# KiCad board Dashboard.kicad_pcb
note: AISLER Project ID: RVJIBPDP
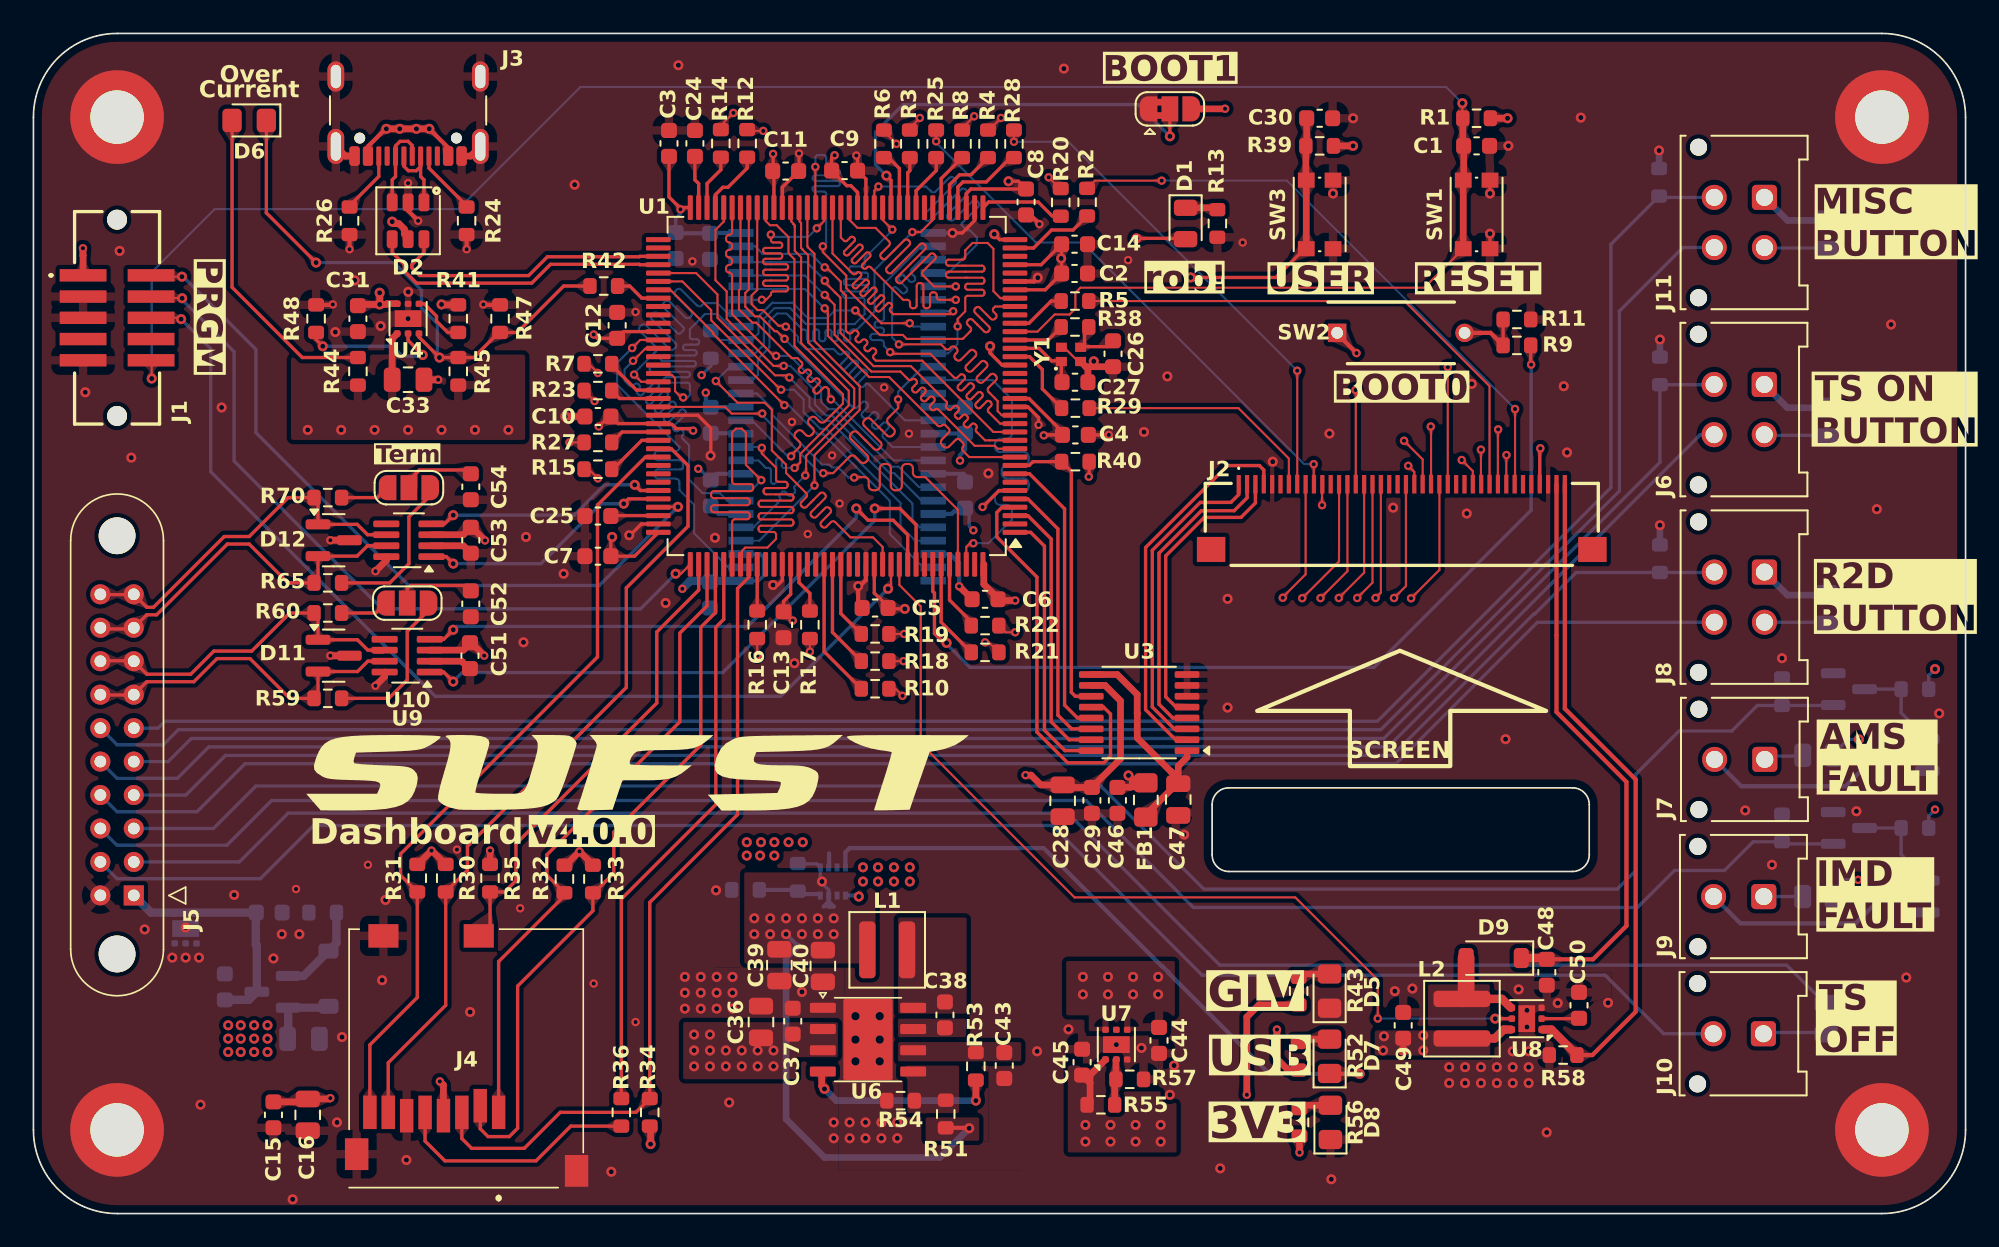
[diagram p0: board, top side]
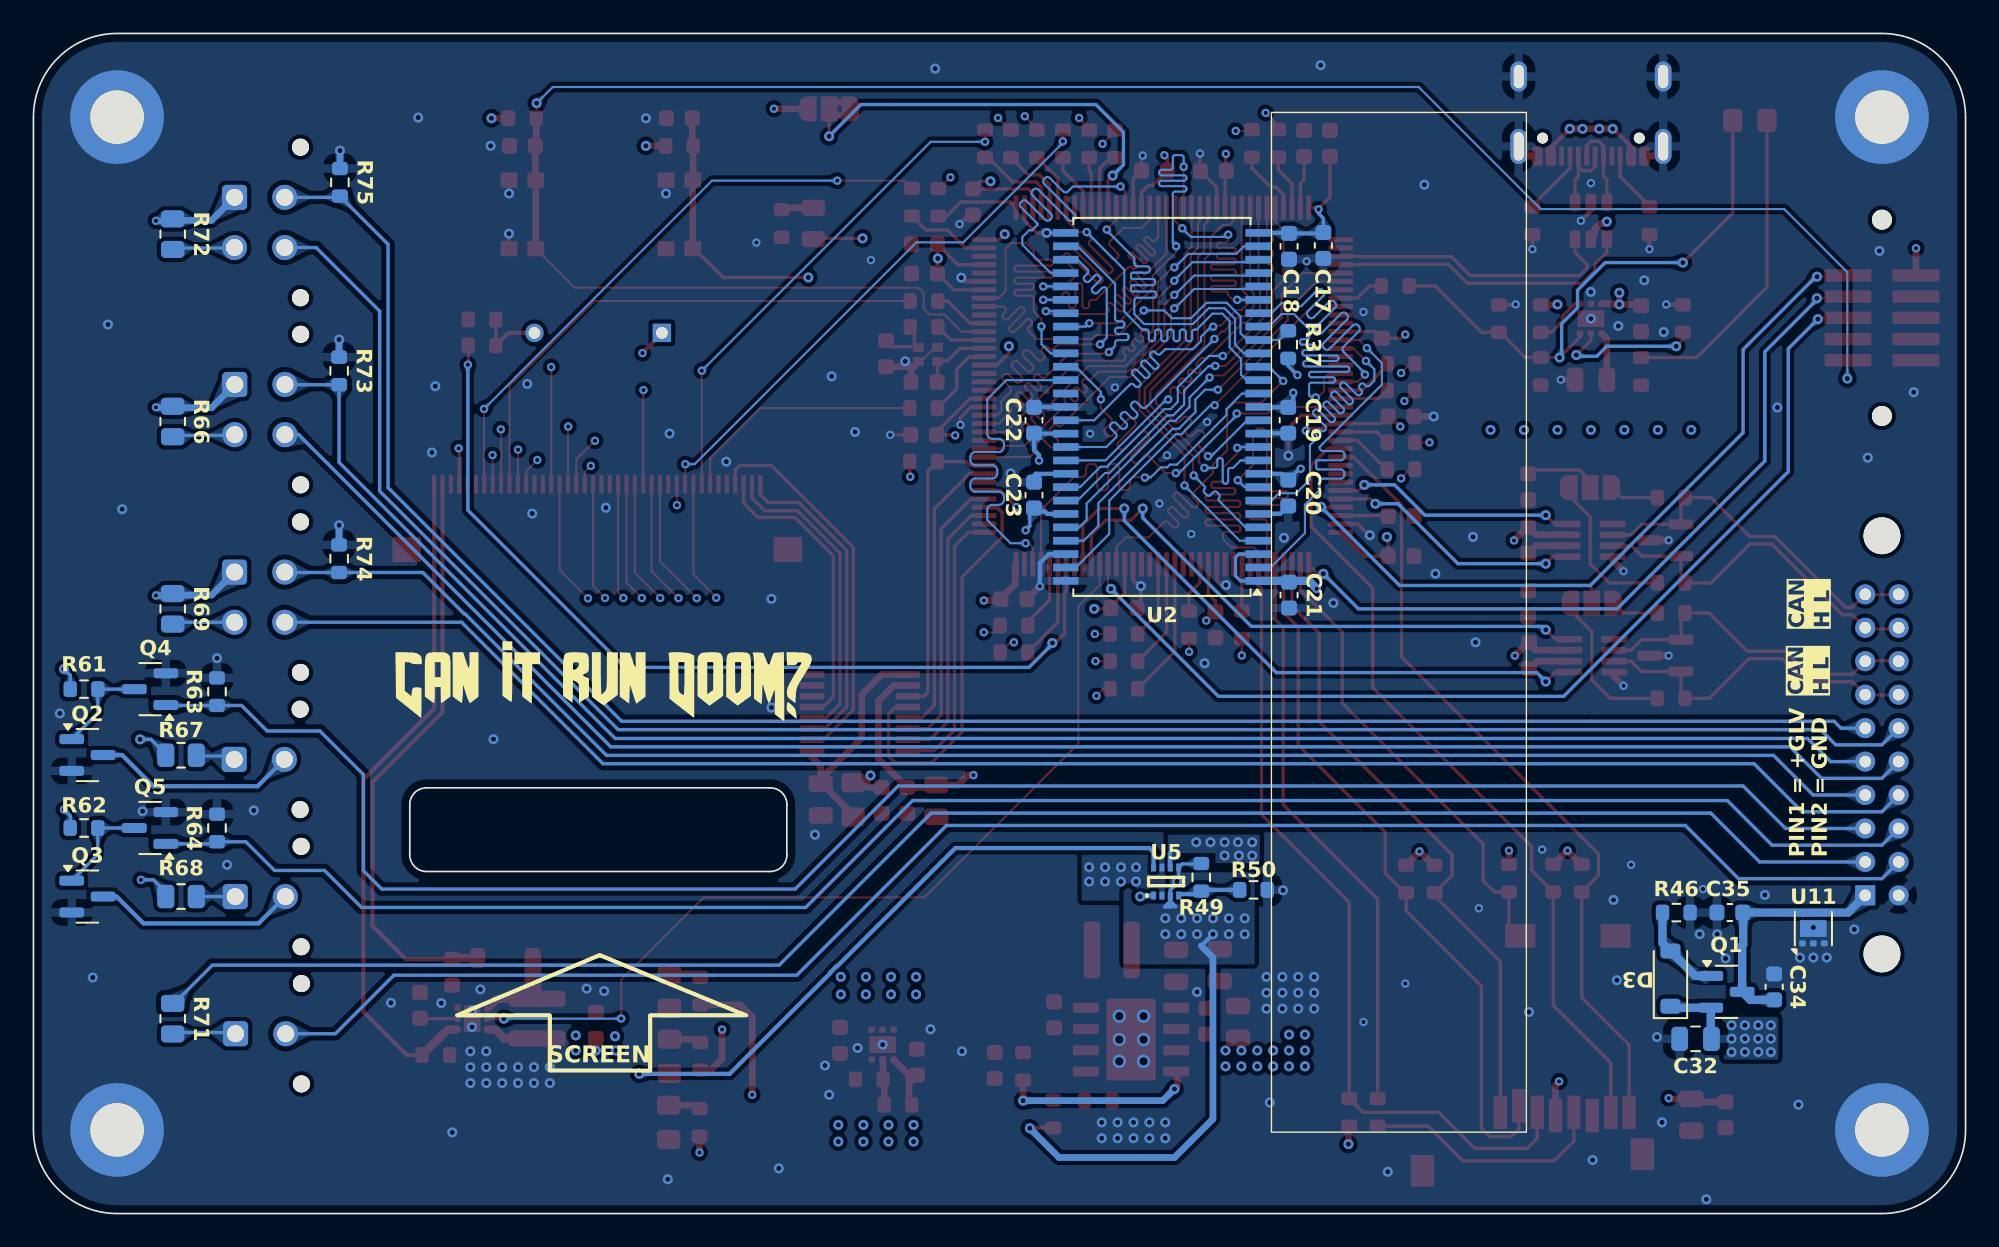
[diagram p1: board, bottom side, seen from below]

Outline 115.53 x 70.55 mm; copper layers: Top, In1.Cu, In2.Cu, In3.Cu, In4.Cu, Bottom. Coordinates in mm from the lower left corner of the outline.
Outline path: 0,65.55 arc(1.46,69.09) 5,70.55 110.53,70.55 arc(114.06,69.09) 115.53,65.55 115.53,5 arc(114.06,1.46) 110.53,0 5,0 arc(1.46,1.46) 0,5 0,65.55 ; 70.47,24.45 arc(70.77,25.16) 71.47,25.45 92.03,25.45 arc(92.73,25.16) 93.03,24.45 93.03,21.45 arc(92.73,20.74) 92.03,20.45 71.47,20.45 arc(70.77,20.74) 70.47,21.45 70.47,24.45
Stack: Top 0.035mm / dielectric 0.1mm FR4 er 4.5 / In1.Cu 0.035mm / dielectric 0.535mm FR4 er 4.5 / In2.Cu 0.035mm / dielectric 0.1mm FR4 er 4.5 / In3.Cu 0.035mm / dielectric 0.535mm FR4 er 4.5 / In4.Cu 0.035mm / dielectric 0.1mm FR4 er 4.5 / Bottom 0.035mm

## Placement (name value [footprint] x y rotation side)
C1  68nF  [C_0603_1608Metric]  86.29 63.83 180 top
C2  4.7uF  [C_0603_1608Metric]  62.25 56.2 0 top
C3  100nF  [C_0603_1608Metric]  38 63.97 90 top
C4  100nF  [C_0603_1608Metric]  62.3 46.55 0 top
C5  100nF  [C_0603_1608Metric]  50.33 36.2 180 top
C6  100nF  [C_0603_1608Metric]  56.9 36.72 180 top
C7  100nF  [C_0603_1608Metric]  33.75 39.3 180 top
C8  100nF  [C_0603_1608Metric]  59.35 60.47 270 top
C9  100nF  [C_0603_1608Metric]  48.5 62.35 0 top
C10  100nF  [C_0603_1608Metric]  33.75 47.65 180 top
C11  100nF  [C_0603_1608Metric]  44.97 62.32 0 top
C12  100nF  [C_0603_1608Metric]  34.9 53.1 90 top
C13  100nF  [C_0603_1608Metric]  44.85 35.2 270 top
C14  100nF  [C_0603_1608Metric]  62.25 57.95 0 top
C15  100n  [C_0603_1608Metric]  14.35 5.9 270 top
C16  10u  [C_0805_2012Metric]  16.4 5.9 270 top
C17  2u2  [C_0603_1608Metric]  38.4 57.87 90 bottom
C18  100nF  [C_0603_1608Metric]  40.45 57.82 270 bottom
C19  100nF  [C_0603_1608Metric]  40.5 47.42 270 bottom
C20  100nF  [C_0603_1608Metric]  40.5 43.07 270 bottom
C21  100nF  [C_0603_1608Metric]  40.45 36.97 270 bottom
C22  100nF  [C_0603_1608Metric]  55.7 47.42 90 bottom
C23  2u2  [C_0603_1608Metric]  55.7 42.95 270 bottom
C24  2.2u  [C_0603_1608Metric]  39.55 63.97 90 top
C25  2.2u  [C_0603_1608Metric]  33.75 41.7 180 top
C26  4.7pF  [C_0603_1608Metric]  64.55 51.4 270 top
C27  4.7pF  [C_0603_1608Metric]  62.28 49.7 0 top
C28  10u  [C_0805_2012Metric]  61.54 24.67 270 top
C29  100n  [C_0603_1608Metric]  63.29 24.7 270 top
C30  100n  [C_0603_1608Metric]  76.91 65.48 180 top
C31  100nF  [C_0603_1608Metric]  19.4 53.5 270 top
C32  10uF  [C_0805_2012Metric]  16.14 10.44 0 bottom
C33  22uF  [C_0805_2012Metric]  22.4 49.85 0 top
C34  100nF  [C_0603_1608Metric]  11.44 13.55 90 bottom
C35  1uF  [C_0603_1608Metric]  14.09 17.99 0 bottom
C36  10uF  [C_0805_2012Metric]  43.5 11.45 90 top
C37  220nF  [C_0603_1608Metric]  45.4 11.5 90 top
C38  0.1uF  [C_0603_1608Metric]  54.5 11.88 90 top
C39  22uF  [C_0805_2012Metric]  44.6 14.85 270 top
C40  22uF  [C_0805_2012Metric]  47.2 14.8 270 top
C43  1uF  [C_0603_1608Metric]  58.05 8.85 270 top
C44  1uF  [C_0603_1608Metric]  67.3 10.35 270 top
C45  1uF  [C_0603_1608Metric]  62.7 9.05 90 top
C46  1uF  [C_0603_1608Metric]  64.81 24.7 270 top
C47  10nF  [C_0805_2012Metric]  68.45 24.75 270 top
C48  2.2uF  [C_0603_1608Metric]  90.49 14.42 270 top
C49  4.7uF  [C_0603_1608Metric]  81.9 11.25 90 top
C50  220nF  [C_0603_1608Metric]  92.41 12.45 90 top
C51  100n  [C_0603_1608Metric]  26.1 33.35 90 top
C52  4.7n  [C_0603_1608Metric]  26.15 36.45 270 top
C53  100n  [C_0603_1608Metric]  26.15 40.25 90 top
C54  4.7n  [C_0603_1608Metric]  26.15 43.45 270 top
D1  LED  [LED_0805_2012Metric]  68.89 59.19 270 top
D2  USBLC6-2SC6  [SOT-23-6]  22.4 59.35 270 top
D3  BZT52B10  [D_SOD-123]  17.64 14.04 90 bottom
D5  LED  [LED_0805_2012Metric_Pad1.15x1.40mm_HandSolder]  77.5 13.3 90 top
D6  LED  [LED_0805_2012Metric_Pad1.15x1.40mm_HandSolder]  12.9 65.35 180 top
D7  LED  [LED_0805_2012Metric_Pad1.15x1.40mm_HandSolder]  77.5 9.4 90 top
D8  LED  [LED_0805_2012Metric_Pad1.15x1.40mm_HandSolder]  77.55 5.45 90 top
D9  D_Schottky  [D_SOD-123]  87.31 15.28 180 top
D11  NUP2105L  [SOT-23]  17.95 33.35 0 top
D12  NUP2105L  [SOT-23]  17.95 40.25 0 top
FB1  FerriteBead  [L_0805_2012Metric_Pad1.15x1.40mm_HandSolder]  66.51 24.72 270 top
G***  -  [LOGO]  36.1 26.35 0 top
G***#2  -  [LOGO]  81.45 31.8 180 bottom
H1  MountingHole_Pad  [MountingHole_3.2mm_M3_DIN965_Pad_TopBottom]  110.53 65.55 0 top
H2  MountingHole_Pad  [MountingHole_3.2mm_M3_DIN965_Pad_TopBottom]  110.53 5 0 top
H3  MountingHole_Pad  [MountingHole_3.2mm_M3_DIN965_Pad_TopBottom]  5 5 0 top
H4  MountingHole_Pad  [MountingHole_3.2mm_M3_DIN965_Pad_TopBottom]  5 65.55 0 top
J1  SHF10501LDTHLC  [SHF10501LDSMLC]  5 53.55 270 top
J2  XF2M-4015-1A  [XF2M40151A]  81.81 41.2 0 top
J3  USB_C_Receptacle_USB2.0_16P  [USB_C_Receptacle_GCT_USB4105-xx-A_16P_TopMnt_Horizontal]  22.4 66.9 180 top
J4  MEM2061-01-188-00-A  [MEM20610118800A]  20.12 6.05 0 top
J5  -  [M80-5102042]  6 19.02 90 top
J6  Conn_02x02_Top_Bottom  [Molex_Micro-Fit_3.0_43045-0412_2x02_P3.00mm_Vertical]  103.49 49.56 270 top
J7  Conn_02x01  [Molex_Micro-Fit_3.0_43045-0212_2x01_P3.00mm_Vertical]  103.52 27.15 270 top
J8  Conn_02x02_Top_Bottom  [Molex_Micro-Fit_3.0_43045-0412_2x02_P3.00mm_Vertical]  103.5 38.35 270 top
J9  Conn_02x01  [Molex_Micro-Fit_3.0_43045-0212_2x01_P3.00mm_Vertical]  103.46 18.95 270 top
J10  Conn_02x01  [Molex_Micro-Fit_3.0_43045-0212_2x01_P3.00mm_Vertical]  103.44 10.75 270 top
J11  Conn_02x02_Top_Bottom  [Molex_Micro-Fit_3.0_43045-0412_2x02_P3.00mm_Vertical]  103.5 60.75 270 top
JP1  SolderJumper_3_Open  [SolderJumper-3_P1.3mm_Open_RoundedPad1.0x1.5mm]  22.35 36.49 0 top
JP2  SolderJumper_3_Open  [SolderJumper-3_P1.3mm_Open_RoundedPad1.0x1.5mm]  22.45 43.39 0 top
JP3  SolderJumper_3_Bridged12  [SolderJumper-3_P1.3mm_Bridged2Bar12_RoundedPad1.0x1.5mm]  67.95 66.04 0 top
L1  1.5uH  [L_Coilcraft_XAL4020-XXX]  51.05 15.76 180 top
L2  10uH  [L_Coilcraft_XAL4030-XXX]  85.41 11.65 90 top
Q1  DMP510DL-7  [SOT-23]  14.29 13.26 180 bottom
Q2  XP262N7002TR-G  [SOT-23]  112.3 27.41 180 bottom
Q3  XP262N7002TR-G  [SOT-23]  112.3 18.95 180 bottom
Q4  XP262N7002TR-G  [SOT-23]  108.55 31.35 0 bottom
Q5  XP262N7002TR-G  [SOT-23]  108.55 23.05 0 bottom
R1  100K  [R_0603_1608Metric]  86.29 65.48 0 top
R2  33R  [R_0603_1608Metric]  63 60.46 90 top
R3  33R  [R_0603_1608Metric]  52.4 63.95 90 top
R4  33R  [R_0603_1608Metric]  57.08 63.95 90 top
R5  33R  [R_0603_1608Metric]  62.28 54.55 0 top
R6  33R  [R_0603_1608Metric]  50.85 63.95 90 top
R7  33R  [R_0603_1608Metric]  33.75 50.8 180 top
R8  33R  [R_0603_1608Metric]  55.53 63.95 90 top
R9  10K  [R_0603_1608Metric]  88.7 51.9 180 top
R10  33R  [R_0603_1608Metric]  50.33 31.38 0 top
R11  10K  [R_0603_1608Metric]  88.7 53.45 0 top
R12  33R  [R_0603_1608Metric]  42.68 63.97 90 top
R13  500R  [R_0603_1608Metric]  70.79 59.19 270 top
R14  33R  [R_0603_1608Metric]  41.1 63.97 90 top
R15  33R  [R_0603_1608Metric]  33.75 44.5 180 top
R16  33R  [R_0603_1608Metric]  43.28 35.2 270 top
R17  33R  [R_0603_1608Metric]  46.43 35.2 270 top
R18  33R  [R_0603_1608Metric]  50.33 33.02 0 top
R19  33R  [R_0603_1608Metric]  50.33 34.65 0 top
R20  33R  [R_0603_1608Metric]  61.43 60.45 90 top
R21  33R  [R_0603_1608Metric]  56.9 33.55 0 top
R22  33R  [R_0603_1608Metric]  56.9 35.15 0 top
R23  33R  [R_0603_1608Metric]  33.75 49.2 180 top
R24  5.1k  [R_0603_1608Metric]  25.9 59.35 90 top
R25  33R  [R_0603_1608Metric]  53.97 63.95 90 top
R26  5.1k  [R_0603_1608Metric]  18.9 59.35 90 top
R27  33R  [R_0603_1608Metric]  33.75 46.1 180 top
R28  33R  [R_0603_1608Metric]  58.62 63.95 90 top
R29  33R  [R_0603_1608Metric]  62.3 48.15 0 top
R30  47k  [R_0603_1608Metric]  24.65 20.05 90 top
R31  47k  [R_0603_1608Metric]  22.95 20.05 90 top
R32  47k  [R_0603_1608Metric]  31.75 20 90 top
R33  47k  [R_0603_1608Metric]  33.45 20 90 top
R34  47k  [R_0603_1608Metric]  36.85 6.05 270 top
R35  1k  [R_0603_1608Metric]  27.3 20.05 90 top
R36  22R  [R_0603_1608Metric]  35.15 6.05 90 top
R37  10k  [R_0603_1608Metric]  40.5 51.95 270 bottom
R38  1.3K  [R_0603_1608Metric]  62.28 53 0 top
R39  10K  [R_0603_1608Metric]  76.91 63.83 0 top
R40  50K  [R_0603_1608Metric]  62.3 44.95 0 top
R41  300k  [R_0603_1608Metric]  25.4 53.5 90 top
R42  10k  [R_0603_1608Metric]  34.1 55.45 180 top
R43  1.5k  [R_0603_1608Metric]  75.65 13.3 90 top
R44  1k  [R_0603_1608Metric]  19.4 50.35 90 top
R45  100k  [R_0603_1608Metric]  25.4 50.35 90 top
R46  100k  [R_0603_1608Metric]  17.29 17.99 0 bottom
R47  20k  [R_0603_1608Metric]  27.9 53.5 90 top
R48  191k  [R_0603_1608Metric]  16.9 53.5 270 top
R49  10k  [R_0603_1608Metric]  45.7 20.1 90 bottom
R50  90k  [R_0603_1608Metric]  42.58 19.35 0 bottom
R51  100k  [R_0603_1608Metric]  54.55 5.95 270 top
R52  330R  [R_0603_1608Metric]  75.65 9.4 90 top
R53  100k  [R_0603_1608Metric]  56.35 8.8 90 top
R54  24.9k  [R_0603_1608Metric]  51.85 6.75 0 top
R55  1.5k  [R_0603_1608Metric]  63.83 6.5 0 top
R56  150R  [R_0603_1608Metric]  75.7 5.45 90 top
R57  1.5k  [R_0603_1608Metric]  65.55 8.02 0 top
R58  3R3  [R_0603_1608Metric]  91.46 9.47 180 top
R59  60R  [R_0603_1608Metric]  17.6 30.8 180 top
R60  60R  [R_0603_1608Metric]  17.6 35.9 0 top
R61  10k  [R_0603_1608Metric]  112.5 31.35 180 bottom
R62  10k  [R_0603_1608Metric]  112.5 23.05 180 bottom
R63  10k  [R_0603_1608Metric]  104.55 31.2 90 bottom
R64  10k  [R_0603_1608Metric]  104.55 23.05 90 bottom
R65  60R  [R_0603_1608Metric]  17.6 37.7 180 top
R66  220R  [R_0805_2012Metric]  107.2 47.35 270 bottom
R67  220R  [R_0805_2012Metric]  106.7 27.4 180 bottom
R68  220R  [R_0805_2012Metric]  106.7 18.95 180 bottom
R69  220R  [R_0805_2012Metric]  107.2 36.15 270 bottom
R70  60R  [R_0603_1608Metric]  17.6 42.8 0 top
R71  330R  [R_0805_2012Metric]  107.2 11.65 270 bottom
R72  1K  [R_0805_2012Metric]  107.2 58.55 270 bottom
R73  10K  [R_0603_1608Metric]  97.25 50.38 270 bottom
R74  10K  [R_0603_1608Metric]  97.25 39.15 270 bottom
R75  10K  [R_0603_1608Metric]  97.2 61.65 270 bottom
SW1  KMR221G LFS  [SW_Push_1P1T_NO_CK_KMR2]  86.29 59.73 90 top
SW2  SW_SPST  [A6T-1101]  81.76 52.65 0 top
SW3  KMR221G LFS  [SW_Push_1P1T_NO_CK_KMR2]  76.91 59.73 90 top
U1  STM32F746ZGTx  [LQFP-144_20x20mm_P0.5mm]  48.03 49.47 180 top
U2  W9812G6KH-5  [TSOP-II-54_22.2x10.16mm_P0.8mm]  48.05 48.22 0 bottom
U3  XPT2046TS  [TSSOP-16_4.4x5mm_P0.65mm]  66.11 29.95 180 top
U4  TPS25200  [WSON-6-1EP_2x2mm_P0.65mm_EP1x1.6mm]  22.4 53.5 90 top
U5  TPS2117  [SOTFL50P160X60-8N]  47.8 19.85 90 bottom
U6  -  [LMR33630CDDA]  49.8 13.4 0 top
U7  TLV759P  [WSON-6-1EP_2x2mm_P0.65mm_EP1x1.6mm]  64.75 10.1 90 top
U8  TPS61165DRV  [WSON-6-1EP_2x2mm_P0.65mm_EP1x1.6mm]  89.29 11.65 180 top
U9  TCAN3404-Q1  [SOT-23-8_Handsoldering]  22.35 33.35 180 top
U10  TCAN3404-Q1  [SOT-23-8_Handsoldering]  22.45 40.25 180 top
U11  TVS2700DRV  [WSON-6-1EP_2x2mm_P0.65mm_EP1x1.6mm]  9.1 17.04 90 bottom
Y1  25MHz  [Resonator_SMD_ECS_ECX-1247Q_1.6x1.2x0.3mm]  62.04 51.36 0 top

## Library data of the parts
C1-C16 C24-C40 C43 C46-C50 = -: Description: Unpolarized capacitor; ki_fp_filters: C_*
C17-C23 = -: Description: Unpolarized capacitor, small symbol; ki_fp_filters: C_*
C44 C45 = -: ki_fp_filters: C_*
C51 C53 = -: Datasheet: https://www.mouser.co.uk/datasheet/2/212/KEM_C1002_X7R_SMD-1102033.pdf; Optional: False; Order Code: 80-C0805C104K5RACLR; Supplier: Mouser; ki_fp_filters: C_*
C52 C54 = -: Datasheet: https://www.mouser.co.uk/datasheet/2/212/1/KEM_C1076_X7R_HV_AUTO_SMD-1093301.pdf; Optional: True; Order Code: 80-C0805C472KBRAUTO; Supplier: Mouser; ki_fp_filters: C_*
D1 = -: Description: Light emitting diode; Sim.Pins: 1=K 2=A; ki_fp_filters: LED* LED_SMD:* LED_THT:*
D2 = -: Datasheet: https://www.tme.eu/Document/db59d28d28a96c34f26d05f234ff409c/USBLC6-2.pdf; Description: SOT-23-6 TVS Diode Array, 2 protected lines, positive connection, 5.25V, Alternate KiCAD Library; ki_fp_filters: TO-???* *_Diode_* *SingleDiode* D_*
D3 = -: Datasheet: https://diotec.com/tl_files/diotec/files/pdf/datasheets/bzx84c2v4.pdf; Description: 300mW Zener Diode, SOT-23; ki_fp_filters: SOT?23*
D5-D8 = -: MP: 150080VS75000; ki_fp_filters: LED* LED_SMD:* LED_THT:*
D9 = -: Description: Schottky diode; ki_fp_filters: TO-???* *_Diode_* *SingleDiode* D_*
D11 D12 = -: Datasheet: http://www.onsemi.com/pub_link/Collateral/NUP2105L-D.PDF; ki_fp_filters: SOT?23*
FB1 = -: Description: Ferrite bead; ki_fp_filters: Inductor_* L_* *Ferrite*
H1-H4 = -: Description: Mounting Hole with connection; ki_fp_filters: MountingHole*Pad*
J1 = -: Datasheet: http://infocenter.arm.com/help/topic/com.arm.doc.ddi0314h/DDI0314H_coresight_components_trm.pdf; Description: Cortex Debug Connector, standard ARM Cortex-M SWD and JTAG interface; ki_fp_filters: PinHeader?2x05?P1.27mm*
J2 = -: Description: Generic connector, single row, 01x40, script generated; ki_fp_filters: Connector*:*_1x??_*
J3 = -: Datasheet: https://www.usb.org/sites/default/files/documents/usb_type-c.zip; Description: USB 2.0-only 16P Type-C Receptacle connector; MP: USB4105-GF-A; ki_fp_filters: USB*C*Receptacle*
J4 = -: Datasheet: https://www.hirose.com/en/product/document?clcode=&productname=&series=DM3&documenttype=Catalog&lang=en&documentid=D49662_en; Description: Micro SD Card Socket with two card detection pins; ki_fp_filters: microSD*
J5 = -: Description: Generic connector, double row, 02x10, top/bottom pin numbering scheme (row 1: 1...pins_per_row, row2: pins_per_row+1 ... num_pins), script generated (kicad-library-utils/schlib/autogen/connector/); ki_fp_filters: Connector*:*_2x??_*
J6 J8 J11 = -: Description: Generic connector, double row, 02x02, top/bottom pin numbering scheme (row 1: 1...pins_per_row, row2: pins_per_row+1 ... num_pins), script generated (kicad-library-utils/schlib/autogen/connector/); ki_fp_filters: Connector*:*_2x??_*
J7 J9 J10 = -: Description: Generic connector, double row, 02x01, this symbol is compatible with counter-clockwise, top-bottom and odd-even numbering schemes., script generated (kicad-library-utils/schlib/autogen/connector/); ki_fp_filters: Connector*:*_2x??_*
JP1 JP2 = -: Description: Solder Jumper, 3-pole, open; ki_fp_filters: SolderJumper*Open*
JP3 = -: Description: 3-pole Solder Jumper, pins 1+2 closed/bridged; ki_fp_filters: SolderJumper*Bridged12*
L1 = -: Description: Inductor; ki_fp_filters: Choke_* *Coil* Inductor_* L_*
L2 = -: Description: Inductor; Component: Coilcraft XGL4030-103; ki_fp_filters: Choke_* *Coil* Inductor_* L_*
Q1 = -: Datasheet: https://www.onsemi.com/download/data-sheet/pdf/fdn359bn-d.pdf; Supplier: Mouser; Order Code: 512-FDN359BN; Optional: False
Q2-Q5 = -: Description: N-MOSFET transistor, gate/source/drain; Order Code: 865-XP262N7002TR-G; Supplier: Mouser
R1-R12 R14-R23 R25 R27-R39 = -: ki_fp_filters: R_*
R13 R40-R48 R51-R54 R56 R58 R61-R64 R66-R69 R71-R75 = -: Description: Resistor; ki_fp_filters: R_*
R24 R26 = -: Description: Resistor; MP: RC0402FR-075K1L; ki_fp_filters: R_*
R49 = -: Description: Resistor; MP: RC0402FR-0710KL; ki_fp_filters: R_*
R50 = -: Description: Resistor; MP: RC0402FR-0790K9L; ki_fp_filters: R_*
R55 R57 = -: MP: RC0402FR-071K5L; ki_fp_filters: R_*
R59 R60 R65 R70 = -: Datasheet: https://www.mouser.co.uk/datasheet/2/427/dcrcwife3-1761849.pdf; Optional: True; Supplier: Mouser; ki_fp_filters: R_*
SW1 SW3 = -: Datasheet: https://www.ckswitches.com/media/1482/kms.pdf; Description: Microminiature SMT Side Actuated, 4.2 x 2.8 x 1.42mm, without pegs, with shield pin; ki_fp_filters: *SW*KMS2*G*
SW2 = -: Description: Single Pole Single Throw (SPST) switch
U1 = -: Datasheet: https://www.st.com/resource/en/datasheet/stm32f746zg.pdf; Description: STMicroelectronics Arm Cortex-M7 MCU, 1024KB flash, 320KB RAM, 216 MHz, 1.7-3.6V, 114 GPIO, LQFP144; ki_fp_filters: LQFP*20x20mm*P0.5mm*
U2 = -: Datasheet: https://www.winbond.com/resource-files/da00-w9812g6khc1.pdf; Description: 128Mb Synchronous DRAM, 2 Mb x 16 b x 4 Banks, 200 MHz, TSOP-II-54; ki_fp_filters: TSOP?II*22.2x10.16mm*P0.8mm*
U3 = -: Datasheet: http://www.xptek.cn/uploadfile/download/201707171401161883.pdf; Description: Single-supply, 12bit, 4 ch, touch screen driver, 2.2 - 5.25 VDD, -40 to +85 C, QSPI, SPI, 3-wire serial interface, TSSOP-16; ki_fp_filters: *TSSOP*4.4x5mm*P0.65mm*
U4 = -: Datasheet: https://www.ti.com/lit/ds/symlink/tps25200.pdf; Description: 5V eFuse With Precision Adjustable Current Limit and Overvoltage Clamp; Drawn By: Adam Eastman
U5 = -: Datasheet: https://www.ti.com/lit/ds/symlink/tps2117.pdf?ts=1701351126648&ref_url=https%253A%252F%252Fwww.google.com%252F; Description: 1.6-V to 5.5-V, 20-mΩ, 4-A low IQ power multiplexer with manual and priority switchover; MP: TPS2117DRLR
U6 = -: Datasheet: https://www.ti.com/lit/ds/symlink/lmr33630.pdf?ts=1758180545971&ref_url=https%253A%252F%252Fwww.ti.com%252Fproduct%252FLMR33630%252Fpart-details%252FLMR33630ADDAR%253Futm_source%253Dgoogle%2526utm_medium%253Dcpc%2526utm_campaign%253Dapp-null-null-app_opn_en-cpc-storeic-google-eu_en_pur%2526utm_content%253DDevice%2526ds_k%253DLMR33630ADDAR%2526DCM%253Dyes%2526gclsrc%253Daw.ds%2526gad_source%253D1%2526gad_campaignid%253D18945642618%2526gbraid%253D0AAAAAC068F1yPR6eGT_H3Bx1R9sMnZ6vk%2526gclid%253DCj0KCQjw267GBhCSARIsAOjVJ4HOCgV3wTCcxJkMu-GTEI24lwOIhRNu7yLXUiGQngPs8SUHWE71Q0kaAluFEALw_wcB
U7 = -: Datasheet: https://www.ti.com/lit/ds/symlink/tlv759p.pdf?ts=1764082435484&ref_url=https%253A%252F%252Fwww.mouser.it%252F; Description: TLV759P 1-A High Accuracy Adjustable LDO in a Small Size Package; MP: TLV75901PDRVR
U8 = -: Datasheet: https://www.ti.com/lit/ds/symlink/tps61165.pdf; Description: High-Brightness, White LED Driver, 3V to 18V input voltage range, internal switch, constant current, up to 38V/1.2A output, WSON-6; ki_fp_filters: *WSON*2x2mm*P0.65mm*
U9 U10 = -: Datasheet: https://www.ti.com/lit/ds/symlink/tcan3404-q1.pdf?ts=1762412095981&ref_url=https%253A%252F%252Fwww.mouser.de%252F; Description: CAN Tranceiver 58V Tolerant
U11 = -: Datasheet: http://www.ti.com/lit/ds/symlink/tvs2700.pdf; Description: Flat-Clamp Surge Protection Device. 27Vrwm, WSON-6; ki_fp_filters: WSON*1EP*2x2mm*P0.65mm*EP1x1.6mm*
Y1 = -: Datasheet: https://www.ecsxtal.com/store/pdf/ECX-1247Q.pdf; Order Code: 520-250-10-47Q-CEST; ki_fp_filters: Crystal*

## Footprints (pads in the part's own frame, mm; a bottom-side part is the same pattern mirrored in y, then rotated)
A6T-1101
  rect 1.1x1.1 hole 0.7: 1(-3.81,0)
  round 1.1 hole 0.7: 2(3.81,0)
C_0603_1608Metric
  rrect 0.9x0.95 smd: 1(-0.775,0) 2(0.775,0)
C_0805_2012Metric
  rrect 1x1.45 smd: 1(-0.95,0) 2(0.95,0)
D_SOD-123
  rrect 0.9x1.2 smd: 1(-1.65,0) 2(1.65,0)
L_0805_2012Metric_Pad1.15x1.40mm_HandSolder
  rrect 1.15x1.4 smd: 1(-1.025,0) 2(1.025,0)
L_Coilcraft_XAL4020-XXX
  rrect 0.98x3.4 smd: 1(-1.185,0) 2(1.185,0)
L_Coilcraft_XAL4030-XXX
  rrect 0.98x3.4 smd: 1(-1.185,0) 2(1.185,0)
LED_0805_2012Metric
  rrect 0.975x1.4 smd: 1(-0.938,0) 2(0.938,0)
LED_0805_2012Metric_Pad1.15x1.40mm_HandSolder
  rrect 1.15x1.4 smd: 1(-1.025,0) 2(1.025,0)
LMR33630CDDA
  rrect 1.55x0.6 smd: 1(-2.6,-1.1) 2(-2.6,-2.37) 3(-2.6,-3.64) 4(-2.6,-4.91) 5(2.8,-4.91) 6(2.8,-3.64) 7(2.8,-2.37) 8(2.8,-1.1)
  rrect 2.71x3.4 smd: TP(0.1,-3)
  rrect 2.95x4.9 smd: TP(0.1,-3)
LQFP-144_20x20mm_P0.5mm
  rrect 1.475x0.3 smd: 1(-10.662,8.75) 2(-10.662,8.25) 3(-10.662,7.75) 4(-10.662,7.25) 5(-10.662,6.75) 6(-10.662,6.25) 7(-10.662,5.75) 8(-10.662,5.25) 9(-10.662,4.75) 10(-10.662,4.25) 11(-10.662,3.75) 12(-10.662,3.25) 13(-10.662,2.75) 14(-10.662,2.25) 15(-10.662,1.75) 16(-10.662,1.25) 17(-10.662,0.75) 18(-10.662,0.25) 19(-10.662,-0.25) 20(-10.662,-0.75) 21(-10.662,-1.25) 22(-10.662,-1.75) 23(-10.662,-2.25) 24(-10.662,-2.75) 25(-10.662,-3.25) 26(-10.662,-3.75) 27(-10.662,-4.25) 28(-10.662,-4.75) 29(-10.662,-5.25) 30(-10.662,-5.75) 31(-10.662,-6.25) 32(-10.662,-6.75) 33(-10.662,-7.25) 34(-10.662,-7.75) 35(-10.662,-8.25) 36(-10.662,-8.75) 73(10.662,-8.75) 74(10.662,-8.25) 75(10.662,-7.75) 76(10.662,-7.25) 77(10.662,-6.75) 78(10.662,-6.25) 79(10.662,-5.75) 80(10.662,-5.25) 81(10.662,-4.75) 82(10.662,-4.25) 83(10.662,-3.75) 84(10.662,-3.25) 85(10.662,-2.75) 86(10.662,-2.25) 87(10.662,-1.75) 88(10.662,-1.25) 89(10.662,-0.75) 90(10.662,-0.25) 91(10.662,0.25) 92(10.662,0.75) 93(10.662,1.25) 94(10.662,1.75) 95(10.662,2.25) 96(10.662,2.75) 97(10.662,3.25) 98(10.662,3.75) 99(10.662,4.25) 100(10.662,4.75) 101(10.662,5.25) 102(10.662,5.75) 103(10.662,6.25) 104(10.662,6.75) 105(10.662,7.25) 106(10.662,7.75) 107(10.662,8.25) 108(10.662,8.75)
  rrect 0.3x1.475 smd: 37(-8.75,-10.662) 38(-8.25,-10.662) 39(-7.75,-10.662) 40(-7.25,-10.662) 41(-6.75,-10.662) 42(-6.25,-10.662) 43(-5.75,-10.662) 44(-5.25,-10.662) 45(-4.75,-10.662) 46(-4.25,-10.662) 47(-3.75,-10.662) 48(-3.25,-10.662) 49(-2.75,-10.662) 50(-2.25,-10.662) 51(-1.75,-10.662) 52(-1.25,-10.662) 53(-0.75,-10.662) 54(-0.25,-10.662) 55(0.25,-10.662) 56(0.75,-10.662) 57(1.25,-10.662) 58(1.75,-10.662) 59(2.25,-10.662) 60(2.75,-10.662) 61(3.25,-10.662) 62(3.75,-10.662) 63(4.25,-10.662) 64(4.75,-10.662) 65(5.25,-10.662) 66(5.75,-10.662) 67(6.25,-10.662) 68(6.75,-10.662) 69(7.25,-10.662) 70(7.75,-10.662) 71(8.25,-10.662) 72(8.75,-10.662) 109(8.75,10.662) 110(8.25,10.662) 111(7.75,10.662) 112(7.25,10.662) 113(6.75,10.662) 114(6.25,10.662) 115(5.75,10.662) 116(5.25,10.662) 117(4.75,10.662) 118(4.25,10.662) 119(3.75,10.662) 120(3.25,10.662) 121(2.75,10.662) 122(2.25,10.662) 123(1.75,10.662) 124(1.25,10.662) 125(0.75,10.662) 126(0.25,10.662) 127(-0.25,10.662) 128(-0.75,10.662) 129(-1.25,10.662) 130(-1.75,10.662) 131(-2.25,10.662) 132(-2.75,10.662) 133(-3.25,10.662) 134(-3.75,10.662) 135(-4.25,10.662) 136(-4.75,10.662) 137(-5.25,10.662) 138(-5.75,10.662) 139(-6.25,10.662) 140(-6.75,10.662) 141(-7.25,10.662) 142(-7.75,10.662) 143(-8.25,10.662) 144(-8.75,10.662)